# Allegro board 8880F5-0824_updates.brd (continued)
## Placement (name value [footprint] x y rotation side) (continued)
NOREF#237  -  []  254.29 205.56 90 top
NOREF#238  -  []  200.98 258.7 90 top
NOREF#239  -  []  167.7 260.9 90 top
NOREF#240  -  []  119.7 231.22 0 top
NOREF#241  -  []  354.27 131.87 90 top
NOREF#242  -  []  346.08 288.86 0 top
NOREF#243  -  []  253.72 264.65 90 top
NOREF#244  -  []  167.7 233.47 90 top
NOREF#245  -  []  297.71 216.09 0 top
NOREF#246  -  []  271.04 249.18 0 top
NOREF#247  -  []  224.65 271.67 0 top
NOREF#248  -  []  378.58 273.11 90 top
NOREF#249  -  []  251.62 204.35 90 top
NOREF#250  -  []  384.59 162.94 90 top
NOREF#251  -  []  377.23 257.16 90 top
NOREF#252  -  []  247.57 204.65 90 top
NOREF#253  -  []  310.43 254.01 0 top
NOREF#254  -  []  467.51 186.77 0 top
NOREF#255  -  []  459.28 211.76 0 top
NOREF#256  -  []  386.53 181.42 90 top
NOREF#257  -  []  249.6 164.74 90 top
NOREF#258  -  []  453.84 179.06 0 top
NOREF#259  -  []  220.36 248.49 0 top
NOREF#260  -  []  386.46 139.89 0 top
NOREF#261  -  []  261.82 290.13 90 top
NOREF#262  -  []  119.95 187.53 0 top
NOREF#263  -  []  184.47 159.65 90 top
NOREF#264  -  []  315.82 129.74 0 top
NOREF#265  -  []  263.63 165.04 90 top
NOREF#266  -  []  217.83 234.63 90 top
NOREF#267  -  []  478.57 259.9 90 top
NOREF#268  -  []  230.41 248.88 90 top
NOREF#269  -  []  381.74 249.11 0 top
NOREF#270  -  []  481.96 273.87 90 top
NOREF#271  -  []  256.77 223.82 90 top
NOREF#272  -  []  387.39 297.12 0 top
NOREF#273  -  []  381.74 281.11 0 top
NOREF#274  -  []  218.13 214.06 90 top
NOREF#275  -  []  392.04 224.85 90 top
NOREF#276  -  []  230.41 247.61 90 top
NOREF#277  -  []  194.09 146.68 90 top
NOREF#278  -  []  332.51 265.56 90 top
NOREF#279  -  []  239.33 176.03 0 top
NOREF#280  -  []  405.5 225.11 90 top
NOREF#281  -  []  249.28 163.82 90 top
NOREF#282  -  []  326 288.86 90 top
NOREF#283  -  []  110.47 171.02 0 top
NOREF#284  -  []  229.51 243.41 0 top
NOREF#285  -  []  167.7 138.47 90 top
NOREF#286  -  []  398.53 161.74 90 top
NOREF#287  -  []  177.33 133.47 90 top
NOREF#288  -  []  495.08 274.77 90 top
NOREF#289  -  []  271.04 181.69 0 top
NOREF#290  -  []  419.4 171.64 0 top
NOREF#291  -  []  96.33 238.84 0 top
NOREF#292  -  []  209.59 174.36 90 top
NOREF#293  -  []  118.7 195.7 0 top
NOREF#294  -  []  182.82 162.12 90 top
NOREF#295  -  []  417.2 171.64 0 top
NOREF#296  -  []  271.34 243.91 0 top
NOREF#297  -  []  485.36 257.36 90 top
NOREF#298  -  []  209.23 205.19 90 top
NOREF#299  -  []  167.7 215.35 90 top
NOREF#300  -  []  201.91 159.1 90 top
NOREF#301  -  []  384.17 180.15 90 top
NOREF#302  -  []  478.57 293.82 90 top
NOREF#303  -  []  511.59 276.41 90 top
NOREF#304  -  []  351.34 183.91 0 top
NOREF#305  -  []  115.99 130.36 90 top
NOREF#306  -  []  101.82 271.33 90 top
NOREF#307  -  []  352.55 189.5 0 top
NOREF#308  -  []  352.55 183.91 0 top
NOREF#309  -  []  221.56 179.06 0 top
NOREF#310  -  []  201.23 219.75 90 top
NOREF#311  -  []  248.96 224.72 0 top
NOREF#312  -  []  417.87 257.37 0 top
NOREF#313  -  []  230.43 248.88 0 top
NOREF#314  -  []  256.77 165.04 90 top
NOREF#315  -  []  406.65 271.21 90 top
NOREF#316  -  []  309.51 189.2 0 top
NOREF#317  -  []  182.82 189.04 90 top
NOREF#318  -  []  336.45 224.74 0 top
NOREF#319  -  []  229.21 248.88 0 top
NOREF#320  -  []  167.7 178.86 90 top
NOREF#321  -  []  122.19 247.3 90 top
NOREF#322  -  []  221.56 182.89 0 top
NOREF#323  -  []  155.57 291.65 90 top
NOREF#324  -  []  168.13 159.1 90 top
NOREF#325  -  []  306.27 156.63 90 top
NOREF#326  -  []  277.17 288.86 0 top
NOREF#327  -  []  298.13 214.06 90 top
NOREF#328  -  []  177.33 255.9 90 top
NOREF#329  -  []  175.7 250.38 90 top
NOREF#330  -  []  237.83 257.63 0 top
NOREF#331  -  []  392.47 224.4 90 top
NOREF#332  -  []  201.23 192.32 90 top
NOREF#333  -  []  409.74 163.69 90 top
NOREF#334  -  []  412.79 209.16 90 top
NOREF#335  -  []  184.47 247.18 90 top
NOREF#336  -  []  392.47 288.57 90 top
NOREF#337  -  []  182.57 240.28 0 top
NOREF#338  -  []  230.41 193.37 90 top
NOREF#339  -  []  167.7 214 0 top
NOREF#340  -  []  231.15 159.63 90 top
NOREF#341  -  []  167.7 149.48 90 top
NOREF#342  -  []  259.33 265.56 90 top
NOREF#343  -  []  272.8 157.28 0 top
NOREF#344  -  []  355.89 130.17 90 top
NOREF#345  -  []  272.25 244.23 0 top
NOREF#346  -  []  375.73 193.43 90 top
NOREF#347  -  []  412.62 249.11 0 top
NOREF#348  -  []  275.28 290.13 90 top
NOREF#349  -  []  392.47 272.66 90 top
NOREF#350  -  []  250.5 288.86 0 top
NOREF#351  -  []  310.73 193.69 0 top
NOREF#352  -  []  182.57 226.57 90 top
NOREF#353  -  []  271.04 242.96 0 top
NOREF#354  -  []  201.66 227.17 90 top
NOREF#355  -  []  319.33 176.03 0 top
NOREF#356  -  []  329.85 224.72 0 top
NOREF#357  -  []  270.29 135.24 90 top
NOREF#358  -  []  201.66 213.45 90 top
NOREF#359  -  []  380.59 271.21 0 top
NOREF#360  -  []  209.23 218.65 90 top
NOREF#361  -  []  396.03 163.64 0 top
NOREF#362  -  []  221.56 239.06 0 top
NOREF#363  -  []  184.47 233.47 90 top
NOREF#364  -  []  379 288.57 90 top
NOREF#365  -  []  331.05 264.65 90 top
NOREF#366  -  []  318.3 224.74 90 top
NOREF#367  -  []  326.43 288.31 90 top
NOREF#368  -  []  259.33 265.55 0 top
NOREF#369  -  []  229.51 246.66 0 top
NOREF#370  -  []  424.55 146.88 90 top
NOREF#371  -  []  209.33 215.25 90 top
NOREF#372  -  []  339.33 265.56 90 top
NOREF#373  -  []  210.86 201.29 90 top
NOREF#374  -  []  272.25 249.82 0 top
NOREF#375  -  []  249.13 140.14 0 top
NOREF#376  -  []  175.8 242.68 90 top
NOREF#377  -  []  290.64 288.86 0 top
NOREF#378  -  []  459.28 168.33 90 top
NOREF#379  -  []  465.45 276.41 90 top
NOREF#380  -  []  400.25 148.15 90 top
NOREF#381  -  []  310.73 249.2 0 top
NOREF#382  -  []  351.04 244.23 0 top
NOREF#383  -  []  98.78 195.15 0 top
NOREF#384  -  []  199.59 145.03 90 top
NOREF#385  -  []  260.99 135.19 90 top
NOREF#386  -  []  230.43 187.61 90 top
NOREF#387  -  []  320.83 194.63 0 top
NOREF#388  -  []  375.22 163.39 0 top
NOREF#389  -  []  392.47 240.56 90 top
NOREF#390  -  []  230.73 246.66 0 top
NOREF#391  -  []  303.56 245.29 90 top
NOREF#392  -  []  334.29 205.55 0 top
NOREF#393  -  []  415.6 146.88 0 top
NOREF#394  -  []  392.24 194.78 90 top
NOREF#395  -  []  250.74 164.72 0 top
NOREF#396  -  []  337.9 246.35 90 top
NOREF#397  -  []  302.71 145.61 90 top
NOREF#398  -  []  337.09 223.52 90 top
NOREF#399  -  []  310.43 247.61 0 top
NOREF#400  -  []  209.49 168.6 90 top
NOREF#401  -  []  415.1 163.64 0 top
NOREF#402  -  []  392.24 193.43 0 top
NOREF#403  -  []  175.7 191.22 90 top
NOREF#404  -  []  119.99 214.79 0 top
NOREF#405  -  []  209.23 189.02 90 top
NOREF#406  -  []  393.74 131.34 90 top
NOREF#407  -  []  253.4 205.56 0 top
NOREF#408  -  []  272.66 288.86 90 top
NOREF#409  -  []  237.57 209.63 90 top
NOREF#410  -  []  272.24 189.18 90 top
NOREF#411  -  []  392.73 154.88 0 top
NOREF#412  -  []  368.03 249.11 0 top
NOREF#413  -  []  271.34 249.5 0 top
NOREF#414  -  []  218.13 214.06 0 top
NOREF#415  -  []  175.7 209.49 90 top
NOREF#416  -  []  411.26 209.66 90 top
NOREF#417  -  []  392.24 196.98 90 top
NOREF#418  -  []  118.45 239.39 0 top
NOREF#419  -  []  117.01 234.24 90 top
NOREF#420  -  []  333.4 265.55 0 top
NOREF#421  -  []  263.95 224.74 90 top
NOREF#422  -  []  168.69 273.5 90 top
NOREF#423  -  []  419.9 272.82 90 top
NOREF#424  -  []  115.87 175.44 90 top
NOREF#425  -  []  397.38 163.64 90 top
NOREF#426  -  []  128.05 273.87 90 top
NOREF#427  -  []  343.63 163.82 90 top
NOREF#428  -  []  419.65 256.92 90 top
NOREF#429  -  []  192.47 150.58 90 top
NOREF#430  -  []  247.25 204.35 90 top
NOREF#431  -  []  167.7 151.68 90 top
NOREF#432  -  []  310.43 188.88 90 top
NOREF#433  -  []  184.47 214 90 top
NOREF#434  -  []  184.47 241.43 90 top
NOREF#435  -  []  398.65 209.36 90 top
NOREF#436  -  []  415.08 139.89 0 top
NOREF#437  -  []  393.19 239.21 90 top
NOREF#438  -  []  272.25 181.69 0 top
NOREF#439  -  []  339.46 288.86 90 top
NOREF#440  -  []  215.96 177.06 0 top
NOREF#441  -  []  283.91 273.37 90 top
NOREF#442  -  []  165.8 212.85 0 top
NOREF#443  -  []  413.71 148.15 90 top
NOREF#444  -  []  405.93 272.66 90 top
NOREF#445  -  []  331.62 205.56 0 top
NOREF#446  -  []  383.73 202.38 90 top
NOREF#447  -  []  167.7 174.46 90 top
NOREF#448  -  []  310.73 249.2 0 top
NOREF#449  -  []  327.89 264.35 90 top
NOREF#450  -  []  402.06 217.61 0 top
NOREF#451  -  []  353.35 288.31 90 top
NOREF#452  -  []  250.17 225.04 90 top
NOREF#453  -  []  239.33 176.03 90 top
NOREF#454  -  []  378.75 224.05 90 top
NOREF#455  -  []  272.55 249.5 0 top
NOREF#456  -  []  220.36 177.06 0 top
NOREF#457  -  []  390.69 289.12 0 top
NOREF#458  -  []  184.47 187.92 90 top
NOREF#459  -  []  418.63 131.94 90 top
NOREF#460  -  []  460.93 225.6 90 top
NOREF#461  -  []  248.96 164.72 0 top
NOREF#462  -  []  209.23 246.08 90 top
NOREF#463  -  []  332.51 205.56 90 top
NOREF#464  -  []  230.43 183.09 0 top
NOREF#465  -  []  270.04 280.1 0 top
NOREF#466  -  []  379.52 188.15 0 top
NOREF#467  -  []  237.2 296.61 0 top
NOREF#468  -  []  251.38 163.52 90 top
NOREF#469  -  []  413.96 182.44 90 top
NOREF#470  -  []  301.56 190.49 0 top
NOREF#471  -  []  331.62 204.35 90 top
NOREF#472  -  []  107.02 171.57 0 top
NOREF#473  -  []  230.43 249.52 0 top
NOREF#474  -  []  410.52 241.11 0 top
NOREF#475  -  []  459.28 168.33 0 top
NOREF#476  -  []  240.83 194.63 0 top
NOREF#477  -  []  401.89 180.15 0 top
NOREF#478  -  []  118.7 195.7 0 top
NOREF#479  -  []  451.64 179.06 0 top
NOREF#480  -  []  272.25 245.5 0 top
NOREF#481  -  []  459.28 211.76 90 top
NOREF#482  -  []  412.37 257.37 0 top
NOREF#483  -  []  124.39 214.79 0 top
NOREF#484  -  []  250.73 265.55 0 top
NOREF#485  -  []  107.02 171.57 0 top
NOREF#486  -  []  275.3 155.38 0 top
NOREF#487  -  []  330.73 204.35 90 top
NOREF#488  -  []  373.93 297.12 0 top
NOREF#489  -  []  387.08 188.15 0 top
NOREF#490  -  []  273.95 147.38 90 top
NOREF#491  -  []  404.15 257.37 0 top
NOREF#492  -  []  327.25 205.56 90 top
NOREF#493  -  []  518.38 259.9 90 top
NOREF#494  -  []  462.06 293.82 90 top
NOREF#495  -  []  309.51 247.93 0 top
NOREF#496  -  []  247.57 265.86 90 top
NOREF#497  -  []  418.37 273.42 90 top
NOREF#498  -  []  320.42 131.64 0 top
NOREF#499  -  []  192.57 160.9 90 top
NOREF#500  -  []  461.86 225.6 90 top
NOREF#501  -  []  387.39 281.11 0 top
NOREF#502  -  []  470.71 227 90 top
NOREF#503  -  []  300.74 286.96 90 top
NOREF#504  -  []  352.55 245.18 0 top
NOREF#505  -  []  177.33 242.18 90 top
NOREF#506  -  []  378.75 256.56 90 top
NOREF#507  -  []  309.05 211.67 0 top
NOREF#508  -  []  451.68 230.2 0 top
NOREF#509  -  []  209.49 164.3 90 top
NOREF#510  -  []  238.3 164.74 90 top
NOREF#511  -  []  333.33 241.33 90 top
NOREF#512  -  []  330.18 242.88 0 top
NOREF#513  -  []  405.42 131.94 90 top
NOREF#514  -  []  413.71 178.82 90 top
NOREF#515  -  []  383.73 198.08 90 top
NOREF#516  -  []  272.25 242.96 0 top
NOREF#517  -  []  251.62 205.55 0 top
NOREF#518  -  []  209.49 177.76 90 top
NOREF#519  -  []  408.63 242.38 90 top
NOREF#520  -  []  188.08 289.11 90 top
NOREF#521  -  []  330.73 205.56 90 top
NOREF#522  -  []  184.89 227.17 90 top
NOREF#523  -  []  459.28 192.71 0 top
NOREF#524  -  []  398.65 233.11 0 top
NOREF#525  -  []  330.74 164.74 0 top
NOREF#526  -  []  113.08 129.54 0 top
NOREF#527  -  []  263.85 273.37 90 top
NOREF#528  -  []  120.24 171.1 0 top
NOREF#529  -  []  396.55 289.12 0 top
NOREF#530  -  []  155.57 272.6 90 top
NOREF#531  -  []  351.04 249.82 0 top
NOREF#532  -  []  263.71 288.86 0 top
NOREF#533  -  []  385.19 281.11 0 top
NOREF#534  -  []  167.7 178.86 90 top
NOREF#535  -  []  199.59 230.19 90 top
NOREF#536  -  []  263.95 163.52 90 top
NOREF#537  -  []  313.94 286.96 90 top
NOREF#538  -  []  210.86 242.18 90 top
NOREF#539  -  []  230.83 164.63 0 top
NOREF#540  -  []  342.63 296.86 0 top
NOREF#541  -  []  312.21 144.34 0 top
NOREF#542  -  []  351.04 185.5 0 top
NOREF#543  -  []  241.6 296.61 0 top
NOREF#544  -  []  305.94 288.86 0 top
NOREF#545  -  []  211.11 173.86 90 top
NOREF#546  -  []  467.51 230.2 0 top
NOREF#547  -  []  352.55 185.18 0 top
NOREF#548  -  []  392.66 192.88 90 top
NOREF#549  -  []  301.56 171.46 0 top
NOREF#550  -  []  218.16 177.06 0 top
NOREF#551  -  []  260.99 143.19 0 top
NOREF#552  -  []  277.5 155.38 0 top
NOREF#553  -  []  322.23 233.13 90 top
NOREF#554  -  []  298.49 288.91 90 top
NOREF#555  -  []  108.27 178.64 0 top
NOREF#556  -  []  201.21 273.5 90 top
NOREF#557  -  []  411.99 178.25 90 top
NOREF#558  -  []  332.83 205.86 90 top
NOREF#559  -  []  211.11 146.93 90 top
NOREF#560  -  []  120.21 178.64 0 top
NOREF#561  -  []  184.47 204.09 90 top
NOREF#562  -  []  184.47 165.4 90 top
NOREF#563  -  []  322.23 173.13 0 top
NOREF#564  -  []  410.52 241.11 0 top
NOREF#565  -  []  300.36 188.49 0 top
NOREF#566  -  []  237.98 225.04 90 top
NOREF#567  -  []  175.7 137.37 90 top
NOREF#568  -  []  450.03 191.31 0 top
NOREF#569  -  []  332.61 296.86 0 top
NOREF#570  -  []  298.16 248.49 0 top
NOREF#571  -  []  461.96 210.36 0 top
NOREF#572  -  []  383.09 257.11 0 top
NOREF#573  -  []  304.65 211.67 0 top
NOREF#574  -  []  462.06 277.31 90 top
NOREF#575  -  []  257.9 186.99 0 top
NOREF#576  -  []  184.47 186.57 0 top
NOREF#577  -  []  96.33 238.84 0 top
NOREF#578  -  []  210.86 214.75 90 top
NOREF#579  -  []  192.47 164.3 90 top
NOREF#580  -  []  377.23 224.65 90 top
NOREF#581  -  []  247.25 265.55 0 top
NOREF#582  -  []  304.61 144.34 0 top
NOREF#583  -  []  279.7 155.38 0 top
NOREF#584  -  []  199.59 216.47 90 top
NOREF#585  -  []  234.33 168.13 90 top
NOREF#586  -  []  420.62 287.22 90 top
NOREF#587  -  []  346.27 135.17 90 top
NOREF#588  -  []  247.25 265.55 0 top
NOREF#589  -  []  165.8 199.39 90 top
NOREF#590  -  []  301.56 182.89 0 top
NOREF#591  -  []  405.93 240.56 90 top
NOREF#592  -  []  384.59 162.84 90 top
NOREF#593  -  []  271.04 244.23 0 top
NOREF#594  -  []  251.62 205.56 0 top
NOREF#595  -  []  413.51 207.71 90 top
NOREF#596  -  []  184.89 199.99 90 top
NOREF#597  -  []  405.51 217.61 0 top
NOREF#598  -  []  333.72 265.86 90 top
NOREF#599  -  []  400.85 297.12 0 top
NOREF#600  -  []  108.27 171.02 0 top
NOREF#601  -  []  166.06 135.19 90 top
NOREF#602  -  []  124.35 195.15 0 top
NOREF#603  -  []  390.94 257.16 90 top
NOREF#604  -  []  314.55 286.96 0 top
NOREF#605  -  []  376.23 209.11 0 top
NOREF#606  -  []  282.9 147.38 0 top
NOREF#607  -  []  390.69 241.11 0 top
NOREF#608  -  []  272.55 185.18 0 top
NOREF#609  -  []  338.11 288.86 0 top
NOREF#610  -  []  336.77 225.04 90 top
NOREF#611  -  []  175.7 162.1 90 top
NOREF#612  -  []  313.56 131.64 90 top
NOREF#613  -  []  328.33 187.93 0 top
NOREF#614  -  []  273.5 148.65 90 top
NOREF#615  -  []  352.55 241.37 0 top
NOREF#616  -  []  253.33 241.33 90 top
NOREF#617  -  []  175.7 259.8 90 top
NOREF#618  -  []  404.4 257.42 90 top
NOREF#619  -  []  310.41 187.61 90 top
NOREF#620  -  []  209.23 209.49 90 top
NOREF#621  -  []  201.49 159.65 90 top
NOREF#622  -  []  182.57 185.42 90 top
NOREF#623  -  []  378.75 240.56 90 top
NOREF#624  -  []  371.48 224.6 0 top
NOREF#625  -  []  230.43 254.01 0 top
NOREF#626  -  []  167.7 214 90 top
NOREF#627  -  []  111.54 287.84 90 top
NOREF#628  -  []  295.96 237.06 0 top
NOREF#629  -  []  309.51 243.41 0 top
NOREF#630  -  []  234.7 286.71 90 top
NOREF#631  -  []  344.37 128.27 90 top
NOREF#632  -  []  373.83 192.28 0 top
NOREF#633  -  []  387.39 249.11 0 top
NOREF#634  -  []  451.68 171.53 0 top
NOREF#635  -  []  354.37 130.67 90 top
NOREF#636  -  []  317.66 224.72 0 top
NOREF#637  -  []  395.07 129.99 0 top
NOREF#638  -  []  209.49 155.13 90 top
NOREF#639  -  []  416.03 179.42 90 top
NOREF#640  -  []  309.21 253.37 0 top
NOREF#641  -  []  229.21 187.61 0 top
NOREF#642  -  []  320.94 211.63 90 top
NOREF#643  -  []  352.25 184.86 90 top
NOREF#644  -  []  201.91 145.63 90 top
NOREF#645  -  []  309.21 247.61 0 top
NOREF#646  -  []  461.86 182.17 90 top
NOREF#647  -  []  35.83 132.61 0 top
NOREF#648  -  []  230.43 246.34 0 top
NOREF#649  -  []  259.33 205.56 90 top
NOREF#650  -  []  272.24 242.32 90 top
NOREF#651  -  []  251.54 252.73 90 top
NOREF#652  -  []  250.5 288.86 0 top
NOREF#653  -  []  396.55 225.11 0 top
NOREF#654  -  []  395.2 265.37 0 top
NOREF#655  -  []  199.59 171.96 0 top
NOREF#656  -  []  404.24 154.88 0 top
NOREF#657  -  []  400.24 202.38 90 top
NOREF#658  -  []  450.03 166.93 0 top
NOREF#659  -  []  310.73 247.93 0 top
NOREF#660  -  []  382.82 180.15 0 top
NOREF#661  -  []  339.33 205.55 0 top
NOREF#662  -  []  390.53 154.88 0 top
NOREF#663  -  []  315.16 290.13 90 top
NOREF#664  -  []  384.59 179.6 90 top
NOREF#665  -  []  378.75 224.15 90 top
NOREF#666  -  []  383.09 241.11 0 top
NOREF#667  -  []  450.03 191.31 0 top
NOREF#668  -  []  310.41 246.34 90 top
NOREF#669  -  []  175.8 256.4 90 top
NOREF#670  -  []  237.66 164.72 0 top
NOREF#671  -  []  369.63 289.12 0 top
NOREF#672  -  []  221.56 250.49 0 top
NOREF#673  -  []  352.25 183.59 90 top
NOREF#674  -  []  378.33 241.11 90 top
NOREF#675  -  []  167.7 244.98 90 top
NOREF#676  -  []  396.22 139.89 0 top
NOREF#677  -  []  475.04 239.09 0 top
NOREF#678  -  []  111.54 290.38 90 top
NOREF#679  -  []  389.7 209.36 0 top
NOREF#680  -  []  518.38 292.92 90 top
NOREF#681  -  []  110.21 195.15 0 top
NOREF#682  -  []  332.83 204.65 90 top
NOREF#683  -  []  318.3 163.52 90 top
NOREF#684  -  []  388.35 217.36 0 top
NOREF#685  -  []  554.86 298.45 0 top
NOREF#686  -  []  339.33 205.56 90 top
NOREF#687  -  []  278.6 147.38 0 top
NOREF#688  -  []  332.51 204.35 90 top
NOREF#689  -  []  329.85 224.74 0 top
NOREF#690  -  []  228.36 202.16 45 top
NOREF#691  -  []  405.93 224.66 90 top
NOREF#692  -  []  314.33 228.13 90 top
NOREF#693  -  []  346.27 130.77 90 top
NOREF#694  -  []  250.5 288.86 0 top
NOREF#695  -  []  404.15 225.11 0 top
NOREF#696  -  []  450.03 182.17 0 top
NOREF#697  -  []  327.57 204.65 90 top
NOREF#698  -  []  311.15 159.63 90 top
NOREF#699  -  []  246.23 173.13 0 top
NOREF#700  -  []  392.47 272.56 90 top
NOREF#701  -  []  167.7 227.72 0 top
NOREF#702  -  []  461.96 166.93 0 top
NOREF#703  -  []  351.04 189.18 0 top
NOREF#704  -  []  460.93 191.31 90 top
NOREF#705  -  []  309.51 193.69 0 top
NOREF#706  -  []  401.89 180.15 0 top
NOREF#707  -  []  384.17 163.39 90 top
NOREF#708  -  []  555.66 300.54 90 top
NOREF#709  -  []  238.3 224.74 90 top
NOREF#710  -  []  495.08 259.9 90 top
NOREF#711  -  []  264.29 280.1 0 top
NOREF#712  -  []  396.55 273.11 0 top
NOREF#713  -  []  301.56 179.06 0 top
NOREF#714  -  []  343.2 232.26 90 top
NOREF#715  -  []  375.22 180.15 0 top
NOREF#716  -  []  270.04 280.1 0 top
NOREF#717  -  []  301.34 286.96 0 top
NOREF#718  -  []  175.7 182.06 90 top
NOREF#719  -  []  298.16 237.06 0 top
NOREF#720  -  []  309.21 246.34 0 top
NOREF#721  -  []  247.25 265.56 0 top
NOREF#722  -  []  396.55 273.11 0 top
NOREF#723  -  []  318.3 164.74 90 top
NOREF#724  -  []  379.48 239.21 90 top
NOREF#725  -  []  329.6 223.52 90 top
NOREF#726  -  []  192.57 215.25 90 top
NOREF#727  -  []  518.38 290.38 90 top
NOREF#728  -  []  98.53 238.84 0 top
NOREF#729  -  []  385.32 161.49 90 top
NOREF#730  -  []  119.95 222.33 0 top
NOREF#731  -  []  272.25 241.05 90 top
NOREF#732  -  []  217.41 273.24 90 top
NOREF#733  -  []  327.25 265.55 0 top
NOREF#734  -  []  284.77 288.86 0 top
NOREF#735  -  []  182.82 243.9 90 top
NOREF#736  -  []  331.94 264.65 90 top
NOREF#737  -  []  482.64 235.89 90 top
NOREF#738  -  []  247.57 264.65 90 top
NOREF#739  -  []  336.45 164.72 0 top
NOREF#740  -  []  312.79 288.86 90 top
NOREF#741  -  []  249.28 223.82 90 top
NOREF#742  -  []  329.85 164.72 0 top
NOREF#743  -  []  112.41 222.33 0 top
NOREF#744  -  []  229.51 189.2 0 top
NOREF#745  -  []  192.57 228.97 90 top
NOREF#746  -  []  201.49 147.53 90 top
NOREF#747  -  []  352.24 241.05 90 top
NOREF#748  -  []  451.68 186.77 0 top
NOREF#749  -  []  118.7 188.08 0 top
NOREF#750  -  []  247.57 264.65 90 top
NOREF#751  -  []  66.26 287.84 90 top
NOREF#752  -  []  230.43 243.09 90 top
NOREF#753  -  []  290.64 288.86 0 top
NOREF#754  -  []  334.61 204.65 90 top
NOREF#755  -  []  297.71 276.09 0 top
NOREF#756  -  []  396.28 180.2 90 top
NOREF#757  -  []  295.96 237.06 0 top
NOREF#758  -  []  309.21 188.88 0 top
NOREF#759  -  []  192.47 162.1 90 top
NOREF#760  -  []  331.06 163.82 90 top
NOREF#761  -  []  309.05 271.67 0 top
NOREF#762  -  []  263.44 135.19 0 top
NOREF#763  -  []  182.57 171.96 90 top
NOREF#764  -  []  260.83 174.63 90 top
NOREF#765  -  []  272.55 245.18 0 top
NOREF#766  -  []  396.55 289.12 0 top
NOREF#767  -  []  303.56 185.29 90 top
NOREF#768  -  []  109.96 238.84 0 top
NOREF#769  -  []  302.71 132.91 90 top
NOREF#770  -  []  75.98 273.87 90 top
NOREF#771  -  []  463.61 222.58 0 top
NOREF#772  -  []  194.09 201.29 90 top
NOREF#773  -  []  256.73 132.14 0 top
NOREF#774  -  []  261.42 135.74 90 top
NOREF#775  -  []  253.53 140.14 0 top
NOREF#776  -  []  192.47 236.67 90 top
NOREF#777  -  []  383.07 180.2 90 top
NOREF#778  -  []  367.48 242.38 90 top
NOREF#779  -  []  528.1 257.36 90 top
NOREF#780  -  []  382.47 133.16 90 top
NOREF#781  -  []  209.23 216.45 90 top
NOREF#782  -  []  184.47 260.9 90 top
NOREF#783  -  []  221.56 171.46 0 top
NOREF#784  -  []  369.38 257.11 0 top
NOREF#785  -  []  222.11 192.14 0 top
NOREF#786  -  []  118.99 166.5 90 top
NOREF#787  -  []  339.65 264.65 90 top
NOREF#788  -  []  368.28 281.11 0 top
NOREF#789  -  []  208.98 257.6 90 top
NOREF#790  -  []  232.25 211.67 90 top
NOREF#791  -  []  217.41 213.24 90 top
NOREF#792  -  []  333.4 205.55 0 top
NOREF#793  -  []  253.4 204.35 90 top
NOREF#794  -  []  375.22 180.15 0 top
NOREF#795  -  []  167.7 190.12 90 top
NOREF#796  -  []  252.51 265.55 0 top
NOREF#797  -  []  337.9 186.35 90 top
NOREF#798  -  []  100.73 238.84 0 top
NOREF#799  -  []  295.96 248.49 0 top
NOREF#800  -  []  249.85 164.74 0 top
NOREF#801  -  []  346.27 129.42 0 top
NOREF#802  -  []  468.01 179.15 0 top
NOREF#803  -  []  403.41 209.61 0 top
NOREF#804  -  []  223.56 245.29 90 top
NOREF#805  -  []  106.76 222.88 0 top
NOREF#806  -  []  404.24 146.88 0 top
NOREF#807  -  []  352.24 244.86 90 top
NOREF#808  -  []  303.26 152.34 0 top
NOREF#809  -  []  331.06 223.82 90 top
NOREF#810  -  []  66.26 273.87 90 top
NOREF#811  -  []  209.23 222.95 90 top
NOREF#812  -  []  399.07 208.91 90 top
NOREF#813  -  []  253.4 205.55 0 top
NOREF#814  -  []  271.04 184.23 0 top
NOREF#815  -  []  309.51 246.66 0 top
NOREF#816  -  []  199.33 185.42 90 top
NOREF#817  -  []  303.84 288.86 0 top
NOREF#818  -  []  124.64 171.1 0 top
NOREF#819  -  []  247.89 204.35 90 top
NOREF#820  -  []  352.25 181.05 90 top
NOREF#821  -  []  398.53 144.98 90 top
NOREF#822  -  []  118.74 210.19 90 top
NOREF#823  -  []  460.93 166.93 90 top
NOREF#824  -  []  415.1 163.64 0 top
NOREF#825  -  []  385.61 208.56 90 top
NOREF#826  -  []  396.55 225.11 0 top
NOREF#827  -  []  320.94 151.63 90 top
NOREF#828  -  []  226.44 294.64 90 top
NOREF#829  -  []  340.83 234.63 90 top
NOREF#830  -  []  184.47 244.98 90 top
NOREF#831  -  []  194.09 187.32 90 top
NOREF#832  -  []  166.06 230.19 90 top
NOREF#833  -  []  271.04 182.96 0 top
NOREF#834  -  []  166.06 189.04 90 top
NOREF#835  -  []  330.49 163.52 90 top
NOREF#836  -  []  472.86 217.98 90 top
NOREF#837  -  []  342.68 224.74 90 top
NOREF#838  -  []  302.11 240.71 0 top
NOREF#839  -  []  371.48 232.6 0 top
NOREF#840  -  []  320.83 254.63 0 top
NOREF#841  -  []  392.24 199.18 90 top
NOREF#842  -  []  384.59 179.7 90 top
NOREF#843  -  []  351.34 189.5 0 top
NOREF#844  -  []  406.65 287.22 90 top
NOREF#845  -  []  182.57 185.42 0 top
NOREF#846  -  []  251.06 163.82 90 top
NOREF#847  -  []  106.36 190.55 0 top
NOREF#848  -  []  272.25 184.86 90 top
NOREF#849  -  []  172.08 272.6 90 top
NOREF#850  -  []  175.7 216.45 90 top
NOREF#851  -  []  257.9 246.99 0 top
NOREF#852  -  []  251.62 265.56 90 top
NOREF#853  -  []  229.21 253.37 0 top
NOREF#854  -  []  329.28 165.04 90 top
NOREF#855  -  []  378.75 240.66 90 top
NOREF#856  -  []  328.96 164.74 0 top
NOREF#857  -  []  209.23 236.67 90 top
NOREF#858  -  []  351.34 189.5 0 top
NOREF#859  -  []  310.43 253.37 0 top
NOREF#860  -  []  175.7 257.6 90 top
NOREF#861  -  []  341.63 255.43 90 top
NOREF#862  -  []  310.73 187.93 0 top
NOREF#863  -  []  369.38 224.6 0 top
NOREF#864  -  []  104.18 191.95 90 top
NOREF#865  -  []  302.11 129.74 0 top
NOREF#866  -  []  273.24 272.1 0 top
NOREF#867  -  []  451.68 230.2 0 top
NOREF#868  -  []  406.44 154.88 0 top
NOREF#869  -  []  242.23 233.13 90 top
NOREF#870  -  []  461.96 217.98 0 top
NOREF#871  -  []  272.24 182.32 90 top
NOREF#872  -  []  263.31 224.74 0 top
NOREF#873  -  []  387.2 207.46 0 top
NOREF#874  -  []  217.71 276.09 0 top
NOREF#875  -  []  409.43 139.89 0 top
NOREF#876  -  []  339.33 265.56 0 top
NOREF#877  -  []  177.33 228.47 90 top
NOREF#878  -  []  106.76 210.11 90 top
NOREF#879  -  []  378.58 289.12 90 top
NOREF#880  -  []  298.24 288.86 0 top
NOREF#881  -  []  351.04 245.5 0 top
NOREF#882  -  []  418.12 257.42 90 top
NOREF#883  -  []  293.66 272.15 90 top
NOREF#884  -  []  226.85 271.67 0 top
NOREF#885  -  []  299.81 273.69 90 top
NOREF#886  -  []  306.83 209.63 90 top
NOREF#887  -  []  287.27 286.96 90 top
NOREF#888  -  []  330.17 223.82 90 top
